# Altium PCB PowerBoard.PcbDoc (part 1 of 4) (continued)
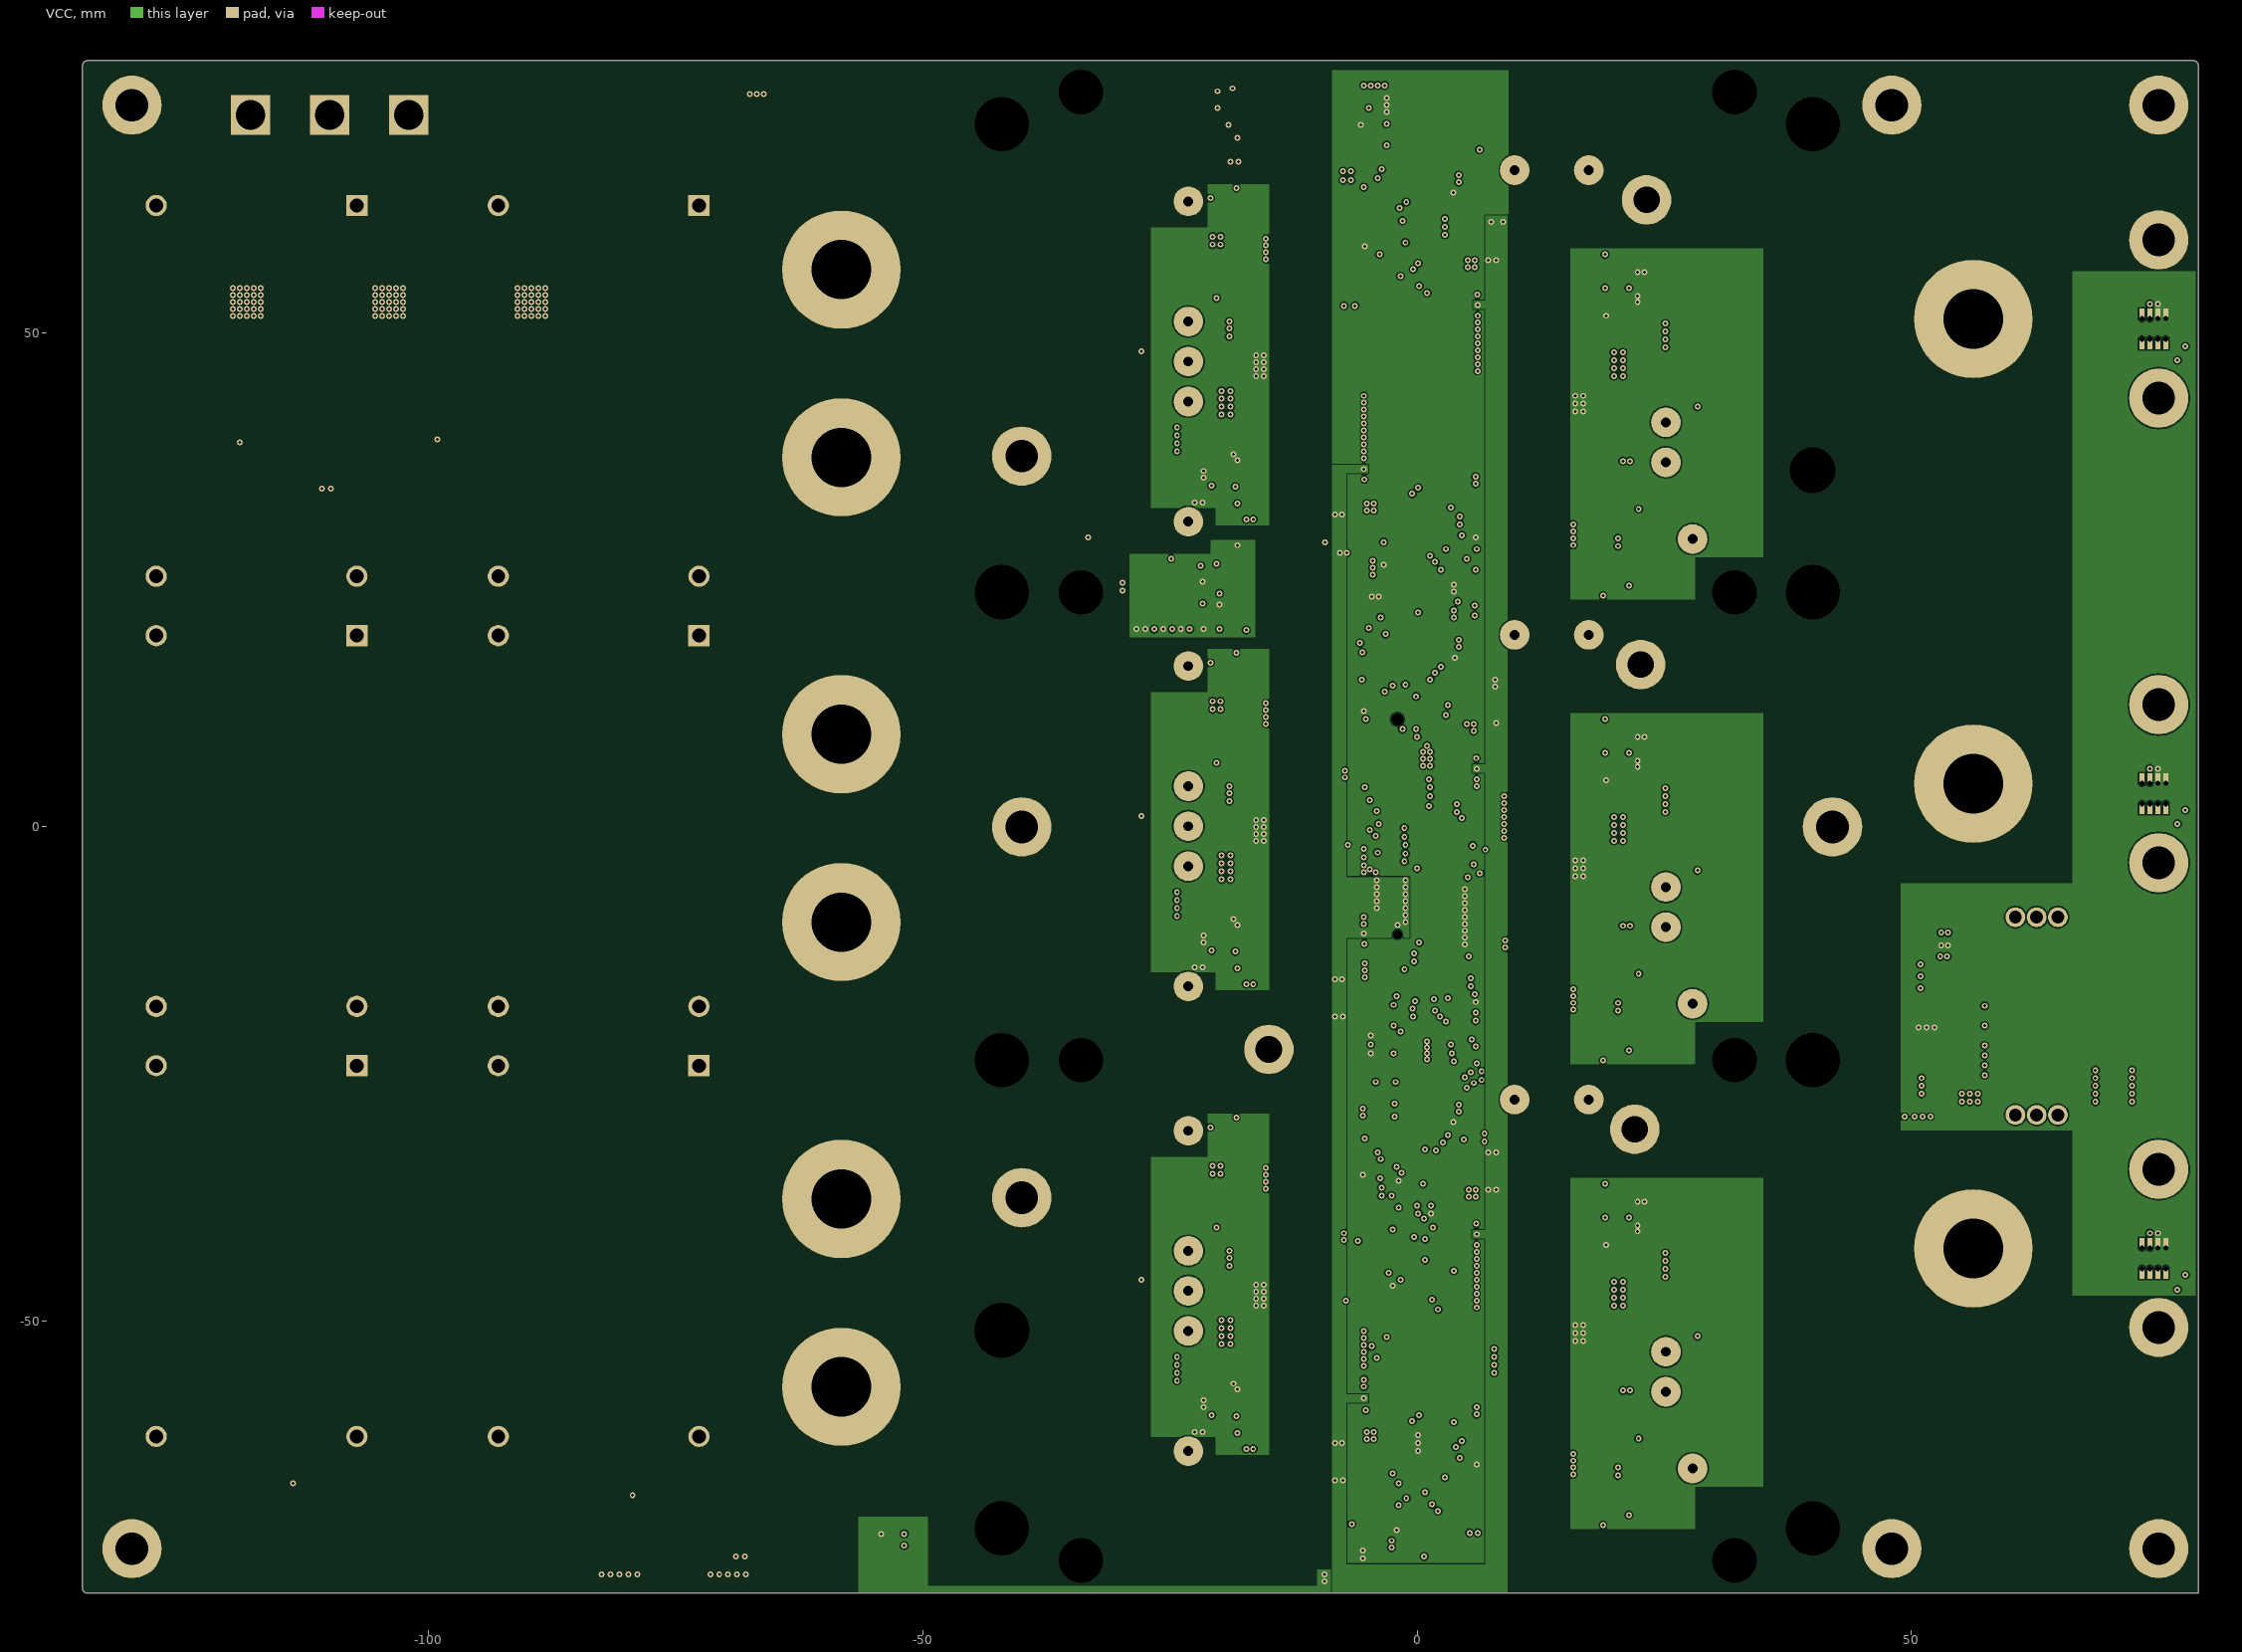
[diagram p3: VCC]
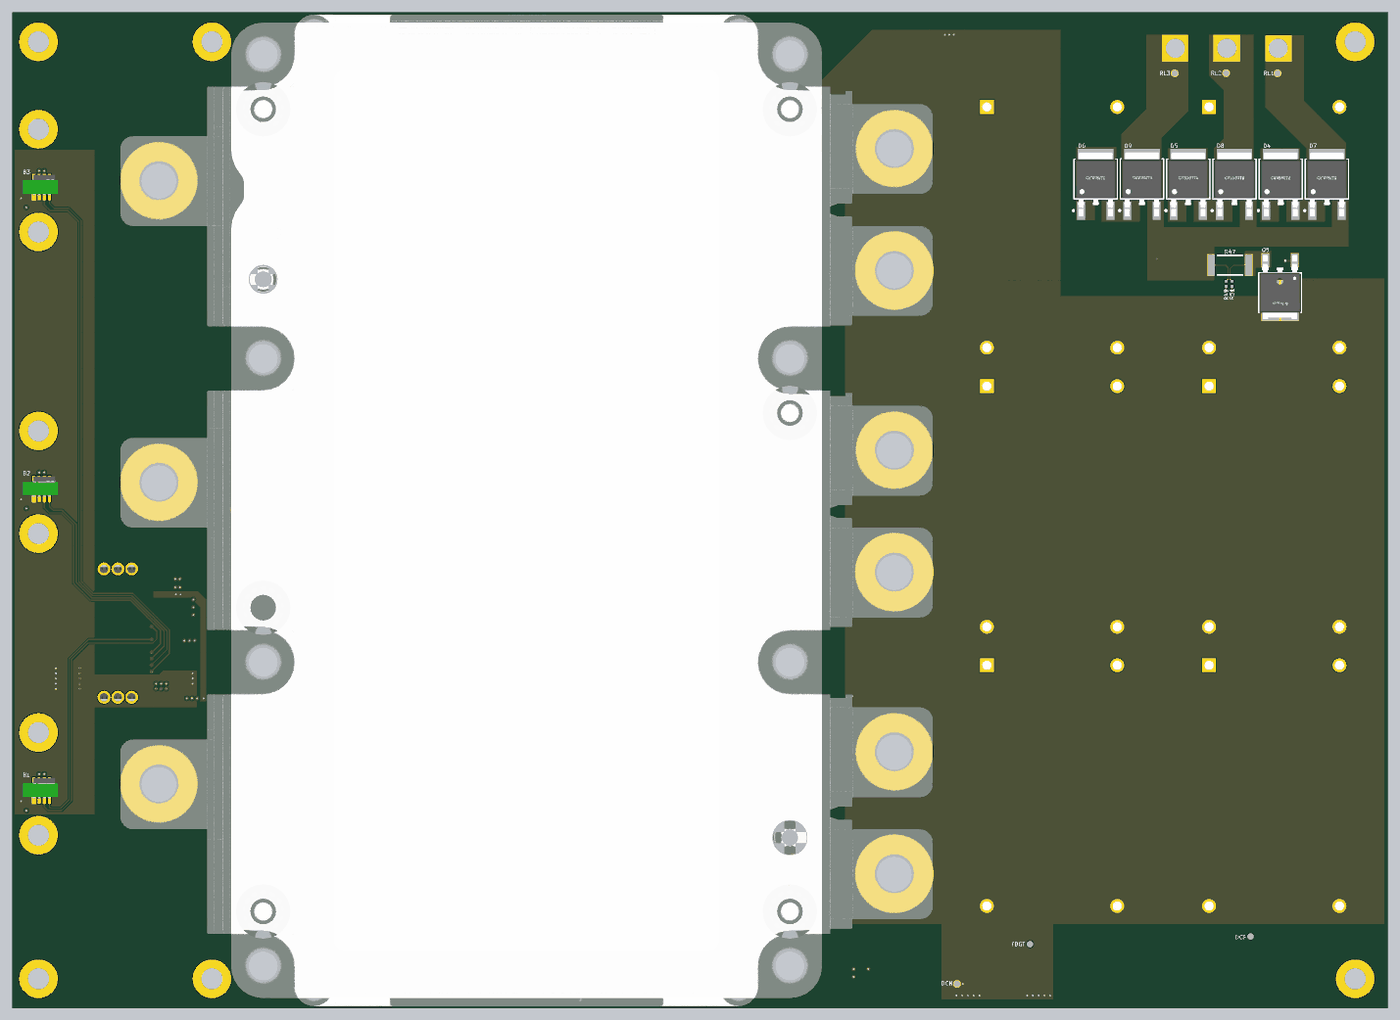
[diagram p7: 3D render of the assembled board from below, using the file's embedded part models]

## Layer stack, top to bottom
Top Solder: solder mask 0.0102, Solder Resist, Dk 3.5
Top Layer: signal copper 0.0356
Dielectric 2: prepreg 0.0711, PP-006, Dk 4.1
GND: signal copper 0.035
Dielectric 1: dielectric 0.32, FR-4, Dk 4.8
VCC: signal copper 0.035
Dielectric 3: prepreg 0.0711, PP-006, Dk 4.1
Bottom Layer: signal copper 0.0356
Bottom Solder: solder mask 0.0102, Solder Resist, Dk 3.5

## Board outline
-135,-77 ccw(c-134.5,-77) -134.5,-77.5 79,-77.5 79,77 ccw(c78.5,77) 78.5,77.5 -134.5,77.5 ccw(c-134.5,77) -135,77

## Design rules (kind name [scope] priority, off if disabled: settings)
Clearance [All] p1: gap=0.15 ignorepadtopadclearanceinfootprint=FALSE
Height [All] p1: minheight=0 maxheight=60 prefheight=12.7
HoleSize [All] p1: absolutevalues=TRUE maxlimit=10 minlimit=0.25 maxpercent=80.000 minpercent=20.000
MinimumAnnularRing [All] p1: minimumring=0.15
MinimumSolderMaskSliver [All] p1: minsoldermaskwidth=0
PlaneConnect [All] p1: planeconnectstyle=Direct reliefexpansion=0.508 reliefentries=4 reliefconductorwidth=1 reliefairgap=0.254
PolygonConnect [All] p1: connectstyle=Direct reliefconductorwidth=1 reliefentries=4 polygonreliefangle="90 Angle" airgapwidth=0.254
RoutingVias [All] p1: holewidth=0.3 width=0.6 viastyle="Through Hole" minholewidth=0.3 minwidth=0.6 maxholewidth=5 maxwidth=10
SilkToSilkClearance [All] p1: silktosilkclearance=0
SilkToSolderMaskClearance [IsPad] p1: minsilkscreentomaskgap=0 clearancetoexposedcopper=TRUE
SolderMaskExpansion VIA [IsVia] p1: expansion=0.102 istentingtop=TRUE
SolderMaskExpansion [All] p2: expansion=0.102 istentingtop=FALSE
SupplyNets "Schematic Supply Nets_11" [InNet('CSREF')] p1: voltage=0.000
SupplyNets "Schematic Supply Nets_10" [InNet('CSVDD')] p2: voltage=0.000
SupplyNets "Schematic Supply Nets_9" [InNet('CSGND')] p3: voltage=0.000
SupplyNets "Schematic Supply Nets_8" [InNet('RECT_VDDH')] p4: voltage=0.000
SupplyNets "Schematic Supply Nets_7" [InNet('HLDO')] p5: voltage=0.000
SupplyNets "Schematic Supply Nets_6" [InNet('N')] p6: voltage=0.000
SupplyNets "Schematic Supply Nets_5" [InNet('GND')] p7: voltage=0.000
SupplyNets "Schematic Supply Nets_4" [InNet('RECT_VDDM')] p8: voltage=0.000
SupplyNets "Schematic Supply Nets_3" [InNet('RECT_VSSS')] p9: voltage=0.000
SupplyNets "Schematic Supply Nets_2" [InNet('+24V')] p10: voltage=0.000
SupplyNets "Schematic Supply Nets_1" [InNet('P')] p11: voltage=0.000
SupplyNets "Schematic Supply Nets" [InNet('+3V3')] p12: voltage=0.000
Width [All] p1: maxlimit=10 minlimit=0.12 preferedwidth=0.25
24 further rules are at their usual default settings.

## Classes and differential pairs
component class CSN: B1 B2 B3 C48 C49 C50 C51 C52 C53 C54 C55 C56 C57 C58 C59 FB1 P2 R61 R62 U13
component class EEP: C47 U12
component class RCFR: C42 C43 C44 C45 C46 D4 D5 D6 D7 D8 D9 L1 L2 L3 Q3 Q4 Q5 R45 R46 R47 R48 R49 R50 R51 R52 R53 R54 R55 R56 R57 R58 R59 R60 RFCN RFCP RFON RFRG RFVH RFVM RFVS RL1 RL2 RL3 U10 U11
component class HBW: HGAT_HBW LGAT_HBW PHS_HBW
component class HBV: HGAT_HBV LGAT_HBV PHS_HBV
component class HBU: HGAT_HBU LGAT_HBU PHS_HBU
component class ANG: C41 R43 R44 U9
channel class IsoSupply: ISU1 ISU2 ISU3 ISU4 ISU5 ISU6
channel class HalfBridgeDriver: HBU HBV HBW
channel class Driver: DRVH1 DRVH2 DRVH3 DRVL1 DRVL2 DRVL3
channel class CurrentSource: IS1 IS2 IS3 IS4
component class PBD: BENA CENA CPG PUH PUL PVH PVL PWH PWL R1 R2 T1
component class CCN: 3V3 24V GND1 GND2 GND3 GND4 GND5 GND6 P1
component class TAD: C25 U6
component class SMX: C24 U5
component class ISU6: C13_ISU6 C14_ISU6 C15_ISU6 C16_ISU6 C17_ISU6 C18_ISU6 C19_ISU6 ICM_ISU6 IVD_ISU6 IVE_ISU6 R11_ISU6 R12_ISU6 R13_ISU6 R14_ISU6 R15_ISU6 U2_ISU6
component class ISU5: C13_ISU5 C14_ISU5 C15_ISU5 C16_ISU5 C17_ISU5 C18_ISU5 C19_ISU5 ICM_ISU5 IVD_ISU5 IVE_ISU5 R11_ISU5 R12_ISU5 R13_ISU5 R14_ISU5 R15_ISU5 U2_ISU5
component class ISU4: C13_ISU4 C14_ISU4 C15_ISU4 C16_ISU4 C17_ISU4 C18_ISU4 C19_ISU4 ICM_ISU4 IVD_ISU4 IVE_ISU4 R11_ISU4 R12_ISU4 R13_ISU4 R14_ISU4 R15_ISU4 U2_ISU4
component class ISU3: C13_ISU3 C14_ISU3 C15_ISU3 C16_ISU3 C17_ISU3 C18_ISU3 C19_ISU3 ICM_ISU3 IVD_ISU3 IVE_ISU3 R11_ISU3 R12_ISU3 R13_ISU3 R14_ISU3 R15_ISU3 U2_ISU3
component class ISU2: C13_ISU2 C14_ISU2 C15_ISU2 C16_ISU2 C17_ISU2 C18_ISU2 C19_ISU2 ICM_ISU2 IVD_ISU2 IVE_ISU2 R11_ISU2 R12_ISU2 R13_ISU2 R14_ISU2 R15_ISU2 U2_ISU2
component class ISU1: C13_ISU1 C14_ISU1 C15_ISU1 C16_ISU1 C17_ISU1 C18_ISU1 C19_ISU1 ICM_ISU1 IVD_ISU1 IVE_ISU1 R11_ISU1 R12_ISU1 R13_ISU1 R14_ISU1 R15_ISU1 U2_ISU1
component class IS4: C20_IS4 C21_IS4 C22_IS4 R16_IS4 R17_IS4 TMPA_IS4 U3_IS4
component class IS3: C20_IS3 C21_IS3 C22_IS3 R16_IS3 R17_IS3 TMPA_IS3 U3_IS3
component class IS2: C20_IS2 C21_IS2 C22_IS2 R16_IS2 R17_IS2 TMPA_IS2 U3_IS2
component class IS1: C20_IS1 C21_IS1 C22_IS1 R16_IS1 R17_IS1 TMPA_IS1 U3_IS1
component class IOE: C23 Q1 R18 R19 R20 U4
component class DRVL3: C1_DRVL3 C2_DRVL3 C3_DRVL3 C4_DRVL3 C5_DRVL3 C6_DRVL3 C7_DRVL3 C8_DRVL3 C9_DRVL3 C10_DRVL3 C11_DRVL3 C12_DRVL3 D1_DRVL3 D2_DRVL3 D3_DRVL3 R3_DRVL3 R4_DRVL3 R5_DRVL3 R6_DRVL3 R7_DRVL3 R8_DRVL3 R9_DRVL3 R10_DRVL3 U1_DRVL3
component class DRVL2: C1_DRVL2 C2_DRVL2 C3_DRVL2 C4_DRVL2 C5_DRVL2 C6_DRVL2 C7_DRVL2 C8_DRVL2 C9_DRVL2 C10_DRVL2 C11_DRVL2 C12_DRVL2 D1_DRVL2 D2_DRVL2 D3_DRVL2 R3_DRVL2 R4_DRVL2 R5_DRVL2 R6_DRVL2 R7_DRVL2 R8_DRVL2 R9_DRVL2 R10_DRVL2 U1_DRVL2
component class DRVL1: C1_DRVL1 C2_DRVL1 C3_DRVL1 C4_DRVL1 C5_DRVL1 C6_DRVL1 C7_DRVL1 C8_DRVL1 C9_DRVL1 C10_DRVL1 C11_DRVL1 C12_DRVL1 D1_DRVL1 D2_DRVL1 D3_DRVL1 R3_DRVL1 R4_DRVL1 R5_DRVL1 R6_DRVL1 R7_DRVL1 R8_DRVL1 R9_DRVL1 R10_DRVL1 U1_DRVL1
component class DRVH3: C1_DRVH3 C2_DRVH3 C3_DRVH3 C4_DRVH3 C5_DRVH3 C6_DRVH3 C7_DRVH3 C8_DRVH3 C9_DRVH3 C10_DRVH3 C11_DRVH3 C12_DRVH3 D1_DRVH3 D2_DRVH3 D3_DRVH3 R3_DRVH3 R4_DRVH3 R5_DRVH3 R6_DRVH3 R7_DRVH3 R8_DRVH3 R9_DRVH3 R10_DRVH3 U1_DRVH3
component class DRVH2: C1_DRVH2 C2_DRVH2 C3_DRVH2 C4_DRVH2 C5_DRVH2 C6_DRVH2 C7_DRVH2 C8_DRVH2 C9_DRVH2 C10_DRVH2 C11_DRVH2 C12_DRVH2 D1_DRVH2 D2_DRVH2 D3_DRVH2 R3_DRVH2 R4_DRVH2 R5_DRVH2 R6_DRVH2 R7_DRVH2 R8_DRVH2 R9_DRVH2 R10_DRVH2 U1_DRVH2
component class DRVH1: C1_DRVH1 C2_DRVH1 C3_DRVH1 C4_DRVH1 C5_DRVH1 C6_DRVH1 C7_DRVH1 C8_DRVH1 C9_DRVH1 C10_DRVH1 C11_DRVH1 C12_DRVH1 D1_DRVH1 D2_DRVH1 D3_DRVH1 R3_DRVH1 R4_DRVH1 R5_DRVH1 R6_DRVH1 R7_DRVH1 R8_DRVH1 R9_DRVH1 R10_DRVH1 U1_DRVH1
component class DCL: C26 C27 C28 C29 C30 C31 C32 C33 C34 C35 C36 C37 C38 C39 C40 DCN DCP FBGT FBON HLDO HVMS Q2 R21 R22 R23 R24 R25 R26 R27 R28 R29 R30 R31 R32 R33 R34 R35 R36 R37 R38 R39 R40 R41 R42 U7 U8

## Components (designator, comment, footprint, x,y, rotation, side; value= is the part's Value field where it differs from the comment)
3V3 "Testpoint" Testpoint-Footprint-1 4.8,-9.1 r270 bottom
24V "Testpoint" Testpoint-Footprint-1 -1.2,-9.6 r180 bottom
B1 "TLE4972AE35S5XUMA1 Sensor Board" "TLE4972AE35S5XUMA1 Sensor Board-Footprint-1" 74.5,-43.63 r180 bottom
B2 "TLE4972AE35S5XUMA1 Sensor Board" "TLE4972AE35S5XUMA1 Sensor Board-Footprint-1" 74.5,3.37 r180 bottom
B3 "TLE4972AE35S5XUMA1 Sensor Board" "TLE4972AE35S5XUMA1 Sensor Board-Footprint-1" 74.5,50.37 r180 bottom
BENA "Testpoint" Testpoint-Footprint-1 0.8,-41.7 r180 bottom
C1_DRVH1 "100nF 10% 0402 25V" 0402N 21,-58.2 r90 top (schematic designator C1)
C1_DRVH2 "100nF 10% 0402 25V" 0402N 21,-11.1 r90 top (schematic designator C1)
C1_DRVH3 "100nF 10% 0402 25V" 0402N 21,35.8 r90 top (schematic designator C1)
C1_DRVL1 "100nF 10% 0402 25V" 0402N -20.5,-41.7 r270 top (schematic designator C1)
C1_DRVL2 "100nF 10% 0402 25V" 0402N -20.5,5.2 r270 top (schematic designator C1)
C1_DRVL3 "100nF 10% 0402 25V" 0402N -20.5,52.2 r270 top (schematic designator C1)
C2_DRVH1 "100nF 10% 0402 25V" 0402N 19.2,-58.2 r90 top (schematic designator C2)
C2_DRVH2 "100nF 10% 0402 25V" 0402N 19.2,-11.1 r90 top (schematic designator C2)
C2_DRVH3 "100nF 10% 0402 25V" 0402N 19.2,35.8 r90 top (schematic designator C2)
C2_DRVL1 "100nF 10% 0402 25V" 0402N -18.7,-41.7 r270 top (schematic designator C2)
C2_DRVL2 "100nF 10% 0402 25V" 0402N -18.7,5.2 r270 top (schematic designator C2)
C2_DRVL3 "100nF 10% 0402 25V" 0402N -18.7,52.2 r270 top (schematic designator C2)
C3_DRVH1 "100nF 10% 0402 25V" 0402N 19.1,-61.7 r90 top (schematic designator C3)
C3_DRVH2 "100nF 10% 0402 25V" 0402N 19.1,-14.6 r90 top (schematic designator C3)
C3_DRVH3 "100nF 10% 0402 25V" 0402N 19.1,32.3 r90 top (schematic designator C3)
C3_DRVL1 "100nF 10% 0402 25V" 0402N -18.6,-38.2 r270 top (schematic designator C3)
C3_DRVL2 "100nF 10% 0402 25V" 0402N -18.6,8.7 r270 top (schematic designator C3)
C3_DRVL3 "100nF 10% 0402 25V" 0402N -18.6,55.7 r270 top (schematic designator C3)
C4_DRVH1 "100nF 10% 0402 25V" 0402N 19.4,-65 r270 top (schematic designator C4)
C4_DRVH2 "100nF 10% 0402 25V" 0402N 19.4,-17.9 r270 top (schematic designator C4)
C4_DRVH3 "100nF 10% 0402 25V" 0402N 19.4,29 r270 top (schematic designator C4)
C4_DRVL1 "100nF 10% 0402 25V" 0402N -18.9,-34.9 r90 top (schematic designator C4)
C4_DRVL2 "100nF 10% 0402 25V" 0402N -18.9,12 r90 top (schematic designator C4)
C4_DRVL3 "100nF 10% 0402 25V" 0402N -18.9,59 r90 top (schematic designator C4)
C5_DRVH1 "100nF 10% 0402 25V" 0402N 5.2,-64.1 r270 top (schematic designator C5)
C5_DRVH2 "100nF 10% 0402 25V" 0402N 5.2,-17.3 r270 top (schematic designator C5)
C5_DRVH3 "100nF 10% 0402 25V" 0402N 5.2,29.9 r270 top (schematic designator C5)
C5_DRVL1 "100nF 10% 0402 25V" 0402N -4.7,-35.7 r90 top (schematic designator C5)
C5_DRVL2 "100nF 10% 0402 25V" 0402N -4.7,11.2 r90 top (schematic designator C5)
C5_DRVL3 "100nF 10% 0402 25V" 0402N -4.7,58.2 r90 top (schematic designator C5)
C6_DRVH1 "100nF 10% 0402 25V" 0402N 5.2,-70.3 r90 top (schematic designator C6)
C6_DRVH2 "100nF 10% 0402 25V" 0402N 5.2,-23.2 r90 top (schematic designator C6)
C6_DRVH3 "100nF 10% 0402 25V" 0402N 5.2,23.7 r90 top (schematic designator C6)
C6_DRVL1 "100nF 10% 0402 25V" 0402N -4.7,-29.6 r270 top (schematic designator C6)
C6_DRVL2 "100nF 10% 0402 25V" 0402N -4.7,17.3 r270 top (schematic designator C6)
C6_DRVL3 "100nF 10% 0402 25V" 0402N -4.7,64.3 r270 top (schematic designator C6)
C7_DRVH1 "100nF 10% 0603 50V" 0603N 19.5,-67.5 r90 top (schematic designator C7)
C7_DRVH2 "100nF 10% 0603 50V" 0603N 19.5,-20.4 r90 top (schematic designator C7)
C7_DRVH3 "100nF 10% 0603 50V" 0603N 19.5,26.5 r90 top (schematic designator C7)
C7_DRVL1 "100nF 10% 0603 50V" 0603N -19,-32.4 r270 top (schematic designator C7)
C7_DRVL2 "100nF 10% 0603 50V" 0603N -19,14.5 r270 top (schematic designator C7)
C7_DRVL3 "100nF 10% 0603 50V" 0603N -19,61.5 r270 top (schematic designator C7)
C8_DRVH1 "100nF 10% 0603 50V" 0603N 21,-67.5 r90 top (schematic designator C8)
C8_DRVH2 "100nF 10% 0603 50V" 0603N 21,-20.4 r90 top (schematic designator C8)
C8_DRVH3 "100nF 10% 0603 50V" 0603N 21,26.5 r90 top (schematic designator C8)
C8_DRVL1 "100nF 10% 0603 50V" 0603N -20.5,-32.4 r270 top (schematic designator C8)
C8_DRVL2 "100nF 10% 0603 50V" 0603N -20.5,14.5 r270 top (schematic designator C8)
C8_DRVL3 "100nF 10% 0603 50V" 0603N -20.5,61.5 r270 top (schematic designator C8)
C9_DRVH1 "100nF 10% 0603 50V" 0603N 17.1,-57.1 r90 top (schematic designator C9)
C9_DRVH2 "100nF 10% 0603 50V" 0603N 17.1,-10 r90 top (schematic designator C9)
C9_DRVH3 "100nF 10% 0603 50V" 0603N 17.1,36.9 r90 top (schematic designator C9)
C9_DRVL1 "100nF 10% 0603 50V" 0603N -16.6,-42.8 r270 top (schematic designator C9)
C9_DRVL2 "100nF 10% 0603 50V" 0603N -16.6,4.1 r270 top (schematic designator C9)
C9_DRVL3 "100nF 10% 0603 50V" 0603N -16.6,51.1 r270 top (schematic designator C9)
C10_DRVH1 "100nF 10% 0603 50V" 0603N 17.4,-54.8 r0 top (schematic designator C10)
C10_DRVH2 "100nF 10% 0603 50V" 0603N 17.4,-7.7 r0 top (schematic designator C10)
C10_DRVH3 "100nF 10% 0603 50V" 0603N 17.4,39.2 r0 top (schematic designator C10)
C10_DRVL1 "100nF 10% 0603 50V" 0603N -16.9,-45.1 r180 top (schematic designator C10)
C10_DRVL2 "100nF 10% 0603 50V" 0603N -16.9,1.8 r180 top (schematic designator C10)
C10_DRVL3 "100nF 10% 0603 50V" 0603N -16.9,48.8 r180 top (schematic designator C10)
C11_DRVH1 "100nF 10% 0402 25V" 0402N 19.8,-70.1 r270 top (schematic designator C11)
C11_DRVH2 "100nF 10% 0402 25V" 0402N 19.8,-23 r270 top (schematic designator C11)
C11_DRVH3 "100nF 10% 0402 25V" 0402N 19.8,23.9 r270 top (schematic designator C11)
C11_DRVL1 "100nF 10% 0402 25V" 0402N -19.3,-29.8 r90 top (schematic designator C11)
C11_DRVL2 "100nF 10% 0402 25V" 0402N -19.3,17.1 r90 top (schematic designator C11)
C11_DRVL3 "100nF 10% 0402 25V" 0402N -19.3,64.1 r90 top (schematic designator C11)
C12_DRVH1 "100nF 10% 0402 25V" 0402N 20.7,-70.1 r270 top (schematic designator C12)
C12_DRVH2 "100nF 10% 0402 25V" 0402N 20.7,-23 r270 top (schematic designator C12)
C12_DRVH3 "100nF 10% 0402 25V" 0402N 20.7,23.9 r270 top (schematic designator C12)
C12_DRVL1 "100nF 10% 0402 25V" 0402N -20.2,-29.8 r90 top (schematic designator C12)
C12_DRVL2 "100nF 10% 0402 25V" 0402N -20.2,17.1 r90 top (schematic designator C12)
C12_DRVL3 "100nF 10% 0402 25V" 0402N -20.2,64.1 r90 top (schematic designator C12)
C13_ISU1 "10uF 10% 1210 35V" 1210N 24.875,-41.45 r180 top (schematic designator C13)
C13_ISU2 "10uF 10% 1210 35V" 1210N -24.325,-57.5 r0 top (schematic designator C13)
C13_ISU3 "10uF 10% 1210 35V" 1210N 24.875,5.65 r180 top (schematic designator C13)
C13_ISU4 "10uF 10% 1210 35V" 1210N -24.325,-10.6 r0 top (schematic designator C13)
C13_ISU5 "10uF 10% 1210 35V" 1210N 24.975,52.55 r180 top (schematic designator C13)
C13_ISU6 "10uF 10% 1210 35V" 1210N -24.325,36.4 r0 top (schematic designator C13)
C14_ISU1 "10uF 10% 1210 35V" 1210N 20.975,-43.45 r90 top (schematic designator C14)
C14_ISU2 "10uF 10% 1210 35V" 1210N -20.425,-55.5 r270 top (schematic designator C14)
C14_ISU3 "10uF 10% 1210 35V" 1210N 20.975,3.65 r90 top (schematic designator C14)
C14_ISU4 "10uF 10% 1210 35V" 1210N -20.425,-8.6 r270 top (schematic designator C14)
C14_ISU5 "10uF 10% 1210 35V" 1210N 21.075,50.55 r90 top (schematic designator C14)
C14_ISU6 "10uF 10% 1210 35V" 1210N -20.425,38.4 r270 top (schematic designator C14)
C15_ISU1 "10uF 10% 1210 35V" 1210N 6.6,-34.8 r0 top (schematic designator C15)
C15_ISU2 "10uF 10% 1210 35V" 1210N -6.1,-64.2 r180 top (schematic designator C15)
C15_ISU3 "10uF 10% 1210 35V" 1210N 6.6,12.3 r0 top (schematic designator C15)
C15_ISU4 "10uF 10% 1210 35V" 1210N -6.1,-17.3 r180 top (schematic designator C15)
C15_ISU5 "10uF 10% 1210 35V" 1210N 6.7,59.2 r0 top (schematic designator C15)
C15_ISU6 "10uF 10% 1210 35V" 1210N -6.1,29.7 r180 top (schematic designator C15)
C16_ISU1 "100nF 10% 0603 50V" 0603N 4.975,-42.05 r90 top (schematic designator C16)
C16_ISU2 "100nF 10% 0603 50V" 0603N -4.425,-56.9 r270 top (schematic designator C16)
C16_ISU3 "100nF 10% 0603 50V" 0603N 4.975,5.05 r90 top (schematic designator C16)
C16_ISU4 "100nF 10% 0603 50V" 0603N -4.425,-10 r270 top (schematic designator C16)
C16_ISU5 "100nF 10% 0603 50V" 0603N 5.075,51.95 r90 top (schematic designator C16)
C16_ISU6 "100nF 10% 0603 50V" 0603N -4.425,37 r270 top (schematic designator C16)
C17_ISU1 "10uF 10% 1210 35V" 1210N 24.875,-44.65 r0 top (schematic designator C17)
C17_ISU2 "10uF 10% 1210 35V" 1210N -24.325,-54.3 r180 top (schematic designator C17)
C17_ISU3 "10uF 10% 1210 35V" 1210N 24.875,2.45 r0 top (schematic designator C17)
C17_ISU4 "10uF 10% 1210 35V" 1210N -24.325,-7.4 r180 top (schematic designator C17)
C17_ISU5 "10uF 10% 1210 35V" 1210N 24.975,49.35 r0 top (schematic designator C17)
C17_ISU6 "10uF 10% 1210 35V" 1210N -24.325,39.6 r180 top (schematic designator C17)
C18_ISU1 "100nF 10% 0402 25V" 0402N 19.675,-38.35 r90 top (schematic designator C18)
C18_ISU2 "100nF 10% 0402 25V" 0402N -19.125,-60.6 r270 top (schematic designator C18)
C18_ISU3 "100nF 10% 0402 25V" 0402N 19.675,8.75 r90 top (schematic designator C18)
C18_ISU4 "100nF 10% 0402 25V" 0402N -19.125,-13.7 r270 top (schematic designator C18)
C18_ISU5 "100nF 10% 0402 25V" 0402N 19.775,55.65 r90 top (schematic designator C18)
C18_ISU6 "100nF 10% 0402 25V" 0402N -19.125,33.3 r270 top (schematic designator C18)
C19_ISU1 "100nF 10% 0402 25V" 0402N 19.675,-36.75 r270 top (schematic designator C19)
C19_ISU2 "100nF 10% 0402 25V" 0402N -19.125,-62.2 r90 top (schematic designator C19)
C19_ISU3 "100nF 10% 0402 25V" 0402N 19.675,10.35 r270 top (schematic designator C19)
C19_ISU4 "100nF 10% 0402 25V" 0402N -19.125,-15.3 r90 top (schematic designator C19)
C19_ISU5 "100nF 10% 0402 25V" 0402N 19.775,57.25 r270 top (schematic designator C19)
C19_ISU6 "100nF 10% 0402 25V" 0402N -19.125,31.7 r90 top (schematic designator C19)
C20_IS1 "100nF 10% 0402 25V" 0402N 6.3,-29.7 r270 top (schematic designator C20)
C20_IS2 "100nF 10% 0402 25V" 0402N 6.3,17.3 r270 top (schematic designator C20)
C20_IS3 "100nF 10% 0402 25V" 0402N 6.3,64.3 r270 top (schematic designator C20)
C20_IS4 "100nF 10% 0402 25V" 0402N -4.7,-71.3 r90 top (schematic designator C20)
C21_IS1 "100nF 10% 0402 25V" 0402N 1.9,-29.6 r270 top (schematic designator C21)
C21_IS2 "100nF 10% 0402 25V" 0402N 1.9,17.4 r270 top (schematic designator C21)
C21_IS3 "100nF 10% 0402 25V" 0402N 1.9,64.4 r270 top (schematic designator C21)
C21_IS4 "100nF 10% 0402 25V" 0402N -0.3,-71.4 r90 top (schematic designator C21)
C22_IS1 "100nF 10% 0402 25V" 0402N -3.2,-41.5 r270 top (schematic designator C22)
C22_IS2 "100nF 10% 0402 25V" 0402N -4.2,-41.5 r270 top (schematic designator C22)
C22_IS3 "100nF 10% 0402 25V" 0402N -4.2,-49.9 r90 top (schematic designator C22)
C22_IS4 "100nF 10% 0402 25V" 0402N -3.2,-49.9 r90 top (schematic designator C22)
C23 "100nF 10% 0402 25V" 0402N -3.4,-22 r0 top
C24 "100nF 10% 0402 25V" 0402N -1.9,-37.4 r90 top
C25 "100nF 10% 0402 25V" 0402N -0.5,-45.7 r270 top
C26 "100nF 10% 0402 25V" 0402N -19.5,73.5 r0 top
C27 "100nF 10% 0402 25V" 0402N -4.4,76.1 r0 top
C28 "100nF 10% 0402 25V" 0402N -4.4,71 r0 top
C29 "100nF 10% 0402 25V" 0402N -19.5,72 r0 top
C30 "C4AKJBW5350A3PJ" FP-C4BWP-MFG -117.4,44.1 r270 top locked
C31 "C4AKJBW5350A3PJ" FP-C4BWP-MFG -117.4,0.6 r270 top locked
C32 "C4AKJBW5350A3PJ" FP-C4BWP-MFG -117.4,-42.9 r270 top locked
C33 "C4AKJBW5350A3PJ" FP-C4BWP-MFG -82.8,44.1 r270 top locked
C34 "C4AKJBW5350A3PJ" FP-C4BWP-MFG -82.8,0.6 r270 top locked
C35 "C4AKJBW5350A3PJ" FP-C4BWP-MFG -82.8,-42.9 r270 top locked
C36 "100nF 10% 0402 25V" 0402N -4.4,68.6 r180 top
C37 "100nF 10% 0402 25V" 0402N -19.5,69.7 r0 top
C38 "100nF 10% 0402 25V" 0402N -69.7,-71.9 r270 top
C39 "100nF 10% 0402 25V" 0402N -69.7,-73.6 r270 top
C40 "100nF 10% 0402 25V" 0402N -53.1,-71.5 r180 top
C41 "100nF 10% 0402 25V" 0402N 1.9,25.2 r180 top
C42 "100nF 10% 0402 25V" 0402N -19.1,22.9 r270 top
C43 "100nF 10% 0402 25V" 0402N -19.1,21.2 r270 top
C44 "100nF 10% 0402 25V" 0402N -3,23.8 r270 top
C45 "100nF 10% 0402 25V" 0402N -28.9,24.3 r90 top
C46 "100nF 10% 0402 25V" 0402N -21.7,23.7 r270 top
C47 "100nF 10% 0402 50V" 0402N 2,-57.8 r180 top
C48 "4.7uF 10% 0603 10V" 0603L 51.9,-28 r180 top
C49 "100nF 10% 0402 50V" 0402N 52.2,-21.6 r180 top
C50 "100nF 10% 0402 50V" 0402N 76.9,-45.7 r90 top
C51 "100nF 10% 0402 50V" 0402N 76.9,1.3 r90 top